# Altium PCB PCB1.PcbDoc
Units mil, origin at the board's own origin, x right, y up, seen from the top; angles counter-clockwise.
Board outline 6000 x 4000 mil, 2 copper layers (Top Layer, Bottom Layer); 38 components, 45 nets, 196 pads, 0 vias.
Unrouted connection lines stored in the file: 5.
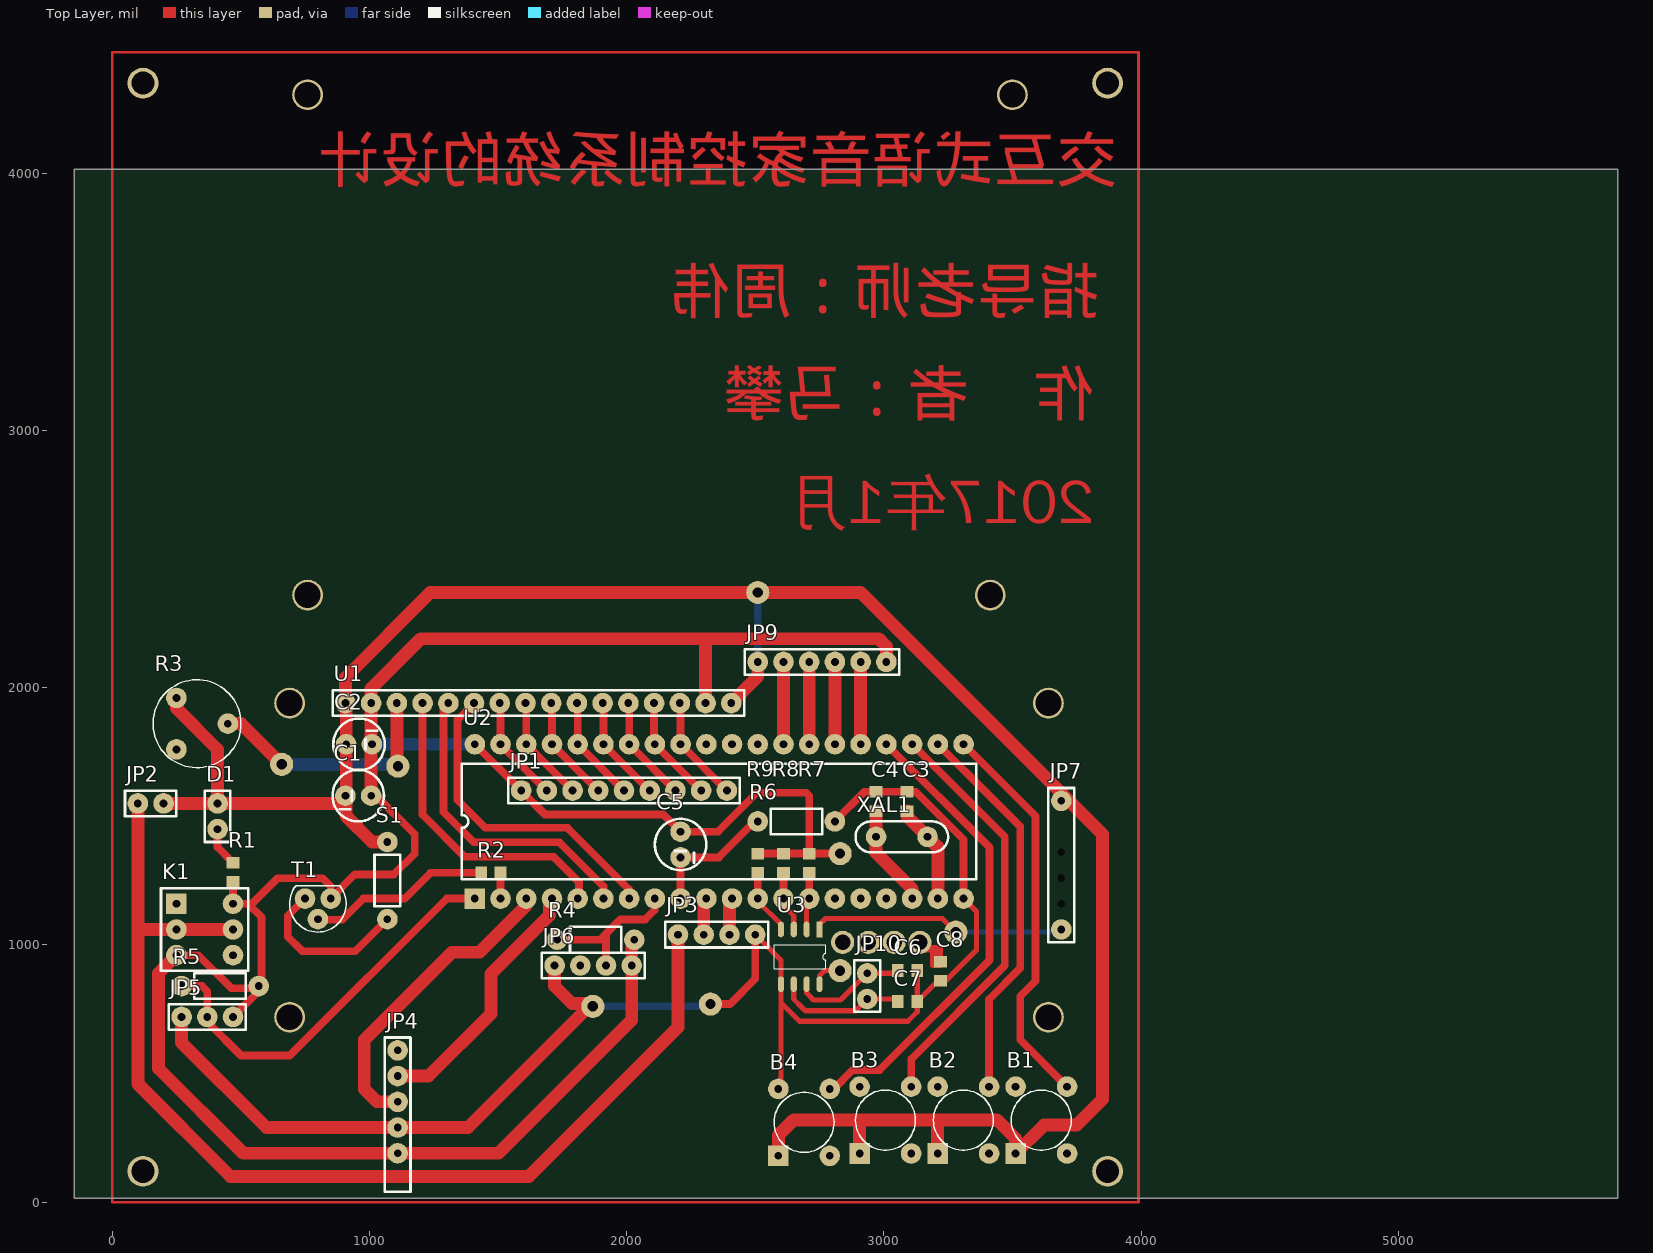
[diagram p0: Top Layer view]
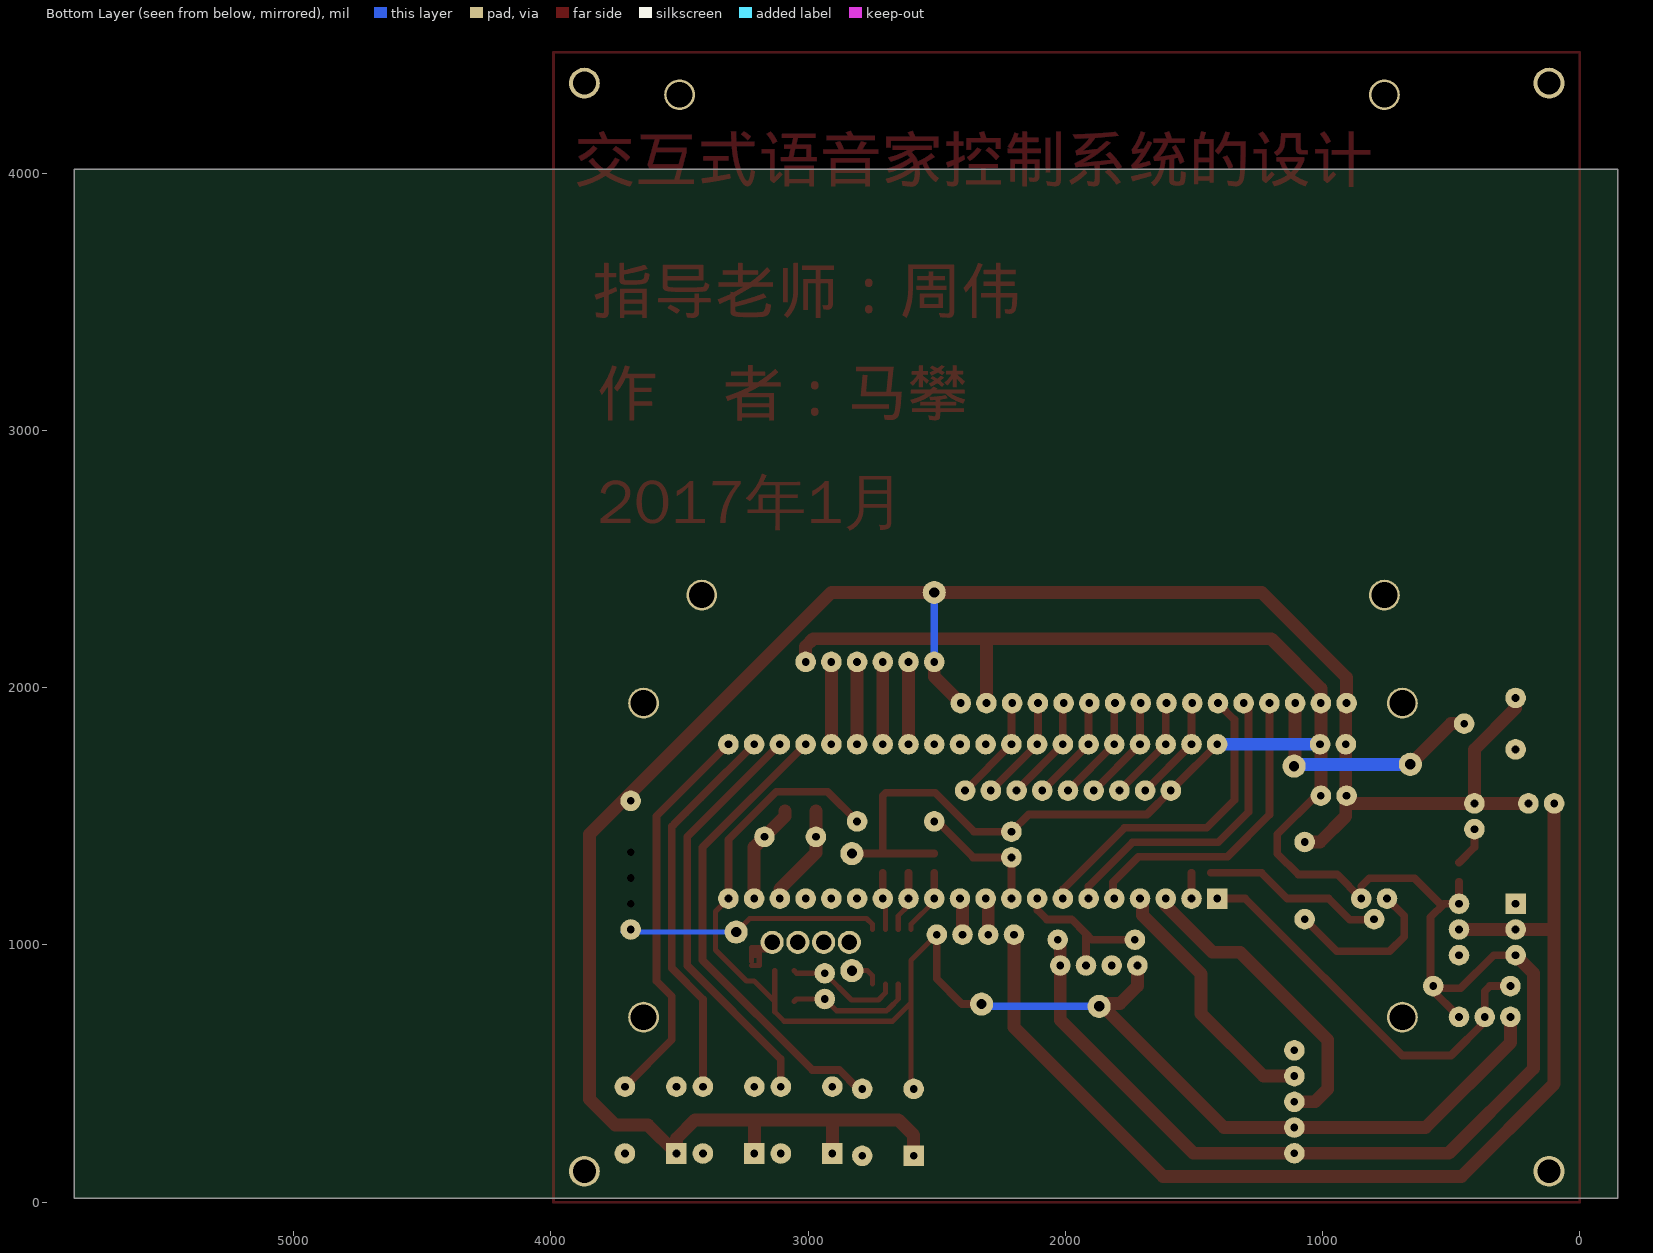
[diagram p1: Bottom Layer view, seen from below]

## Layer stack, top to bottom
Top Solder: solder mask 0.4, Solder Resist, Dk 3.5
Top Layer: signal copper 1.4
Dielectric1: dielectric 12.6, FR-4, Dk 4.8
Bottom Layer: signal copper 1.4
Bottom Solder: solder mask 0.4, Solder Resist, Dk 3.5

## Board outline
-147,15 5853,15 5853,4015 -147,4015

## Design rules (kind name [scope] priority, off if disabled: settings)
Clearance [All] p1: gap=10
FabricationTestPointUsage TestPointUsage [All] p1: valid=0 allowmultiple=FALSE
FabricationTestpoint Testpoint [All] p1: side=3 testpointundercomponent=TRUE minsize=40 maxsize=100 preferedsize=60 minholesize=0 maxholesize=40 preferedholesize=32 testpointgrid=1 allowsidetop=TRUE allowsidebottom=TRUE usegrid=TRUE gridtolerance=0.01
PolygonConnect [All] p1: connectstyle=Relief reliefconductorwidth=10 reliefentries=4 polygonreliefangle="90 Angle" airgapwidth=10
RoomDefinition Sheet1 [InComponentClass('Sheet1')] p1: confinementstyle=ConfineIn formatcopy=TRUE lockcomponents=FALSE outline 5898,-25 6023,-25 6023,475 5898,475
RoutingVias [All] p1: holewidth=28 width=50 viastyle="Through Hole" minholewidth=28 minwidth=50 maxholewidth=28 maxwidth=50
SilkToSolderMaskClearance SilkscreenOverComponentPads [IsPad] p1: minsilkscreentomaskgap=10 clearancetoexposedcopper=TRUE
SolderMaskExpansion [All] p1: expansion=4
Width [All] p1: maxlimit=50 minlimit=20 preferedwidth=50
26 further rules are at their usual default settings.

## Components (designator, comment, footprint, x,y, rotation, side; value= is the part's Value field where it differs from the comment)
B1 "Button" Button 3512.33,189 r90 top
B2 "Button" Button 3209.22,189 r90 top
B3 "Button" Button 2906.11,189 r90 top
B4 "Button" Button 2590,180 r90 top
C1 "CAP+" CAP-100mil 1007,1580 r180 top
C2 "CAP" CAP-100mil 910,1780 r0 top
C3 "CAP" 0805 3090,1520 r90 top
C4 "CAP" 0805 2970,1520 r90 top
C5 "CAP+" CAP-100mil 2210,1440 r270 top
C6 "CAP" 0805 3130,900 r180 top
C7 "CAP" 0805 3130,780 r180 top
C8 "CAP" 0805 3220,860 r90 top (schematic designator C7)
D1 "Diode" SIP-2 410,1500 r90 top
JP1 "SIP-9" SIP-9 1990,1600 r90 top
JP2 "SIP-2" SIP-2 150,1550 r0 top
JP3 "SIP-4" SIP-4 2350,1040 r270 top
JP4 "blue" SIP-6#1 1110,340 r0 top
JP5 "SIP-3" SIP-3 370,720 r90 top
JP6 "SIP-4" SIP-4 1870,920 r270 top
JP7 "SIP-2" SIP-6#2 3690,1310 r180 top
JP9 "Relay" SIP-6#3 2760,2100 r270 top
JP10 "SIP-2" SIP-2 2935.63,839.63 r90 top
K1 "SW" SW 250,1160 r0 top
R1 "RES" 0805 470,1320 r270 top
R2 "RES" 0805 1510,1280 r180 top
R3 "电位器" 电位器 250,1960 r0 top
R4 "RES" RES-300mil 1730,1020 r0 top
R5 "RES" RES-300mil 270,840 r0 top
R6 "RES" RES-300mil 2810,1480 r180 top
R7 "RES" 0805 2710,1280 r90 top
R8 "RES" 0805 2610,1280 r90 top
R9 "RES" 0805 2510,1280 r90 top
S1 "Speaker" RES-300mil 1070,1400 r270 top
T1 "PNP" 三极管 850,1180 r270 top
U1 "SIP-16" SIP-16 907,1940 r90 top
U2 "DIP-40" DIP-40-600mil 1410,1180 r90 top
U3 "DS1302" SOP8 2750,1060 r270 top
XAL1 "晶振" 晶振-200mil 2970,1420 r0 top

## Footprints (in the part's own frame and the unit in brackets; to place one, negate y for a bottom-side part, rotate by r counter-clockwise, add the part's x,y. Pads: shape width x height; smd on the part's side, far side on the other; paste and mask are expansions set on the pad)
0805 [mil]
  rect 45x50 smd: 1(0,0) 2(75,0)
Button [mil]
  rect 80x80 hole 30: 1(0,0)
  round 80 hole 30: 2(0,-200) 3(260,-200) 4(260,0)
  silkscreen extent 14,-217 246,17
CAP-100mil [mil]
  round 80 hole 30: 1(0,0) 2(100,0)
  silkscreen extent -50,-100 150,100
DIP-40-600mil [mil]
  rect 80x80 hole 30: 1(0,0)
  round 80 hole 30: 2(0,-100) 3(0,-200) 4(0,-300) 5(0,-400) 6(0,-500) 7(0,-600) 8(0,-700) 9(0,-800) 10(0,-900) 11(0,-1000) 12(0,-1100) 13(0,-1200) 14(0,-1300) 15(0,-1400) 16(0,-1500) 17(0,-1600) 18(0,-1700) 19(0,-1800) 20(0,-1900) 21(600,-1900) 22(600,-1800) 23(600,-1700) 24(600,-1600) 25(600,-1500) 26(600,-1400) 27(600,-1300) 28(600,-1200) 29(600,-1100) 30(600,-1000) 31(600,-900) 32(600,-800) 33(600,-700) 34(600,-600) 35(600,-500) 36(600,-400) 37(600,-300) 38(600,-200) 39(600,-100) 40(600,0)
  silkscreen extent 75,-1950 525,50
RES-300mil [mil]
  round 80 hole 30: 1(0,0) 2(300,0)
  silkscreen extent 50,-50 250,50
SIP-2 [mil]
  round 80 hole 30: 1(-50,0) 2(50,0)
  silkscreen extent -100,-50 100,50
SIP-3 [mil]
  round 80 hole 30: 1(0,100) 2(0,0) 3(0,-100)
  silkscreen extent -50,-150 50,150
SIP-4 [mil]
  round 80 hole 30: 1(0,150) 2(0,50) 3(0,-50) 4(0,-150)
  silkscreen extent -50,-200 50,200
SIP-6#1 [mil]
  round 80 hole 30: 1(0,250) 2(0,150) 3(0,50) 4(0,-50) 5(0,-150)
  round 0 all layers, no hole: 6(0,-250)
  silkscreen extent -50,-300 50,300
SIP-6#2 [mil]
  round 80 hole 30: 1(0,250) 6(0,-250)
  round 0 hole 30: 2(0,150) 3(0,50) 4(0,-50)
  round 0 all layers, no hole: 5(0,-150)
  silkscreen extent -50,-300 50,300
SIP-6#3 [mil]
  round 80 hole 30: 1(0,250) 2(0,150) 3(0,50) 4(0,-50) 5(0,-150) 6(0,-250)
  silkscreen extent -50,-300 50,300
SIP-9 [mil]
  round 80 hole 30: 1(0,400) 2(0,300) 3(0,200) 4(0,100) 5(0,0) 6(0,-100) 7(0,-200) 8(0,-300) 9(0,-400)
  silkscreen extent -50,-450 50,450
SIP-16 [mil]
  round 80 hole 30: 1(0,0) 2(0,-100) 3(0,-200) 4(0,-300) 5(0,-400) 6(0,-500) 7(0,-600) 8(0,-700) 9(0,-800) 10(0,-900) 11(0,-1000) 12(0,-1100) 13(0,-1200) 14(0,-1300) 15(0,-1400) 16(0,-1500)
  silkscreen extent -50,-1550 50,50
SOP8 [mil]
  rect 61x24 smd: 1(0,0)
  oval 61x24 smd: 2(0,-50) 3(0,-100) 4(0,-150) 5(212.6,-150) 6(212.6,-100) 7(212.6,-50) 8(212.6,0)
  silkscreen extent 59,-175 153,25
SW [mil]
  rect 80x80 hole 30: 1(0,0)
  round 80 hole 30: 2(0,-100) 3(0,-200) 4(220,-200) 5(220,-100) 6(220,0)
  silkscreen extent -60,-260 280,60
三极管 [mil]
  round 80 hole 30: B(80,-50) C(0,-100) E(0,0)
  silkscreen extent -50,-160 130,60
晶振-200mil [mil]
  round 80 hole 30: 1(0,0) 2(200,0)
  silkscreen extent -80,-60 280,60
电位器 [mil]
  round 80 hole 30: 1(0,0) 2(200,-100) 3(0,-200)
  silkscreen extent -91,-271 251,71

## Part data
JP4 JP9: library part SIP-6
U3: library part DIP-8

## Free pads (board coordinates)
  round 120 hole 100: 0(690,1940) 1(3640,1940) 2(690,719) 3(3640,719) 13(3413.7,2360) 14(760,2360) 15(760,4305) 16(3500,4305)
  round 90 hole 40: 4(2830,900) 5(2830,1355) 6(3280,1050) 8(1111,1695) 9(659,1702) 10(1869,761) 11(2326,770) 12(2510,2370)
  round 90 hole 60: 17(3040,1010) 18(2940,1010) 19(2840,1010) 20(3140,1010)
  round 120 hole 90: 21(120,120) 22(3870,4350) 23(120,4350) 24(3870,120)

## Nets (pads, with @x,y where several pads share a name; then routed paths per layer and width w, separated by ;. In a path a pad name is that pad's centre, name@x,y a point inside that pad or via, vN(x,y) a via of type N, cw(c..) or ccw(c..) an arc to the next point about the centre after c; other vN are vias at no path point)
GND: B1.1 B2.1 B3.1 B4.1 B4.4 C1.2 C2.1 C3.2 C4.2 C6.1 C7.1 C8.1 D1.2 JP2.2 JP3.1 JP4.4 JP5.1 JP6.4 JP7.6 JP9.6 pad.10 pad.11 pad.12 R3.1 R6.1 S1.1 U1.1 U1.16 U2.20 U3.5 | length 14681.9
  Top Layer w20: JP3.1 2600,940 U3.5 ; B4.4 2600,450 2600,775 ; 2600,793 2600,775 ; 2600,796.57 U3.5 ; C6.1 C7.1 ; U2.20 3360,1130 3360,980 3240,860 3210,860 C7.1 ; 2600,775 2672,703 3093,703 3130,740 C7.1 ; 2600,775 U3.5
  Top Layer w30: pad.10@1866,772 pad.10@1876,772 ; pad.11 2402,770 2500,868 JP3.1 ; R6.1 2925,1595 C4.2 C3.2 3124,1595 3310,1409 U2.20
  Top Layer w50: JP2.2 D1.2 ; R3.1 250,1920 410,1760 D1.2 ; JP5.1 270,620 600,290 JP4.4 1384,290 1866,772 1788,772 1720,840 JP6.4 ; S1.1 1010,1400 910,1500 C1.2@910,1580 ; U1.16 2510,2043 JP9.6 ; B4.1 2590,260 2650,320 3440,320 3512.33,247.67 B1.1 3623.33,300 3750,300 3850,400 3850,1430 2910,2370 1237,2370 907,2040 U1.1 910,1937 C2.1 C1.2@910,1580 ; B3.1 2906.11,316.11 ; B2.1 3209.22,309.22 ; D1.2 880,1550 C1.2@910,1580
  Bottom Layer w30: pad.10 2317,761 pad.11 ; JP9.6 pad.12
NetC6_2: C6.2 JP10.2 U3.7 | length 447.8
  Top Layer w20: U3.7 2700,813 2727,786 2832,786 JP10.2 3044.63,889.63 C6.2
NetC7_2: C7.2 JP10.1 U3.6 | length 514.8
  Top Layer w20: U3.6 2650,789 2682,757 ; 2689,750 2682,757 ; C7.2 3045.37,789.63 JP10.1 2890,744 2695,744 2682,757
NetD1_1: D1.1 R1.1 | length 154.9
  Top Layer w30: D1.1 410,1380 R1.1
NetJP7_1: JP7.1 pad.6 U3.1 | length 1021.5
  Top Layer w20: U3.1 2750,1080 2773,1103 3227,1103 pad.6
  Bottom Layer w20: pad.6 JP7.1@3720,1050
NetR2_2: R2.2 T1.B | length 711.2
  Top Layer w30: T1.B 802,1098 894,1098 976,1180 1138,1180 1238,1280 R2.2
NetR3_2: pad.8 pad.9 R3.2 U1.3 | length 976
  Top Layer w50: R3.2 501,1860 pad.9 ; U1.3 1107,1699 pad.8
  Bottom Layer w50: pad.9 1104,1702 pad.8
NetS1_2: S1.2 T1.C | length 638.1
  Top Layer w30: T1.C 683,1113 683,1032 740,975 945,975 S1.2
P00: JP1.2 U1.7 U2.39 | length 415.8
  Top Layer w30: U1.7 1510,1937 U2.39 JP1.2
P01: JP1.3 U1.8 U2.38 | length 415.8
  Top Layer w30: U1.8 1610,1937 U2.38 JP1.3
P02: JP1.4 U1.9 U2.37 | length 415.8
  Top Layer w30: U1.9 1710,1937 U2.37 JP1.4
P03: JP1.5 U1.10 U2.36 | length 415.8
  Top Layer w30: U1.10 1810,1937 U2.36 JP1.5
P04: JP1.6 U1.11 U2.35 | length 415.8
  Top Layer w30: U1.11 1910,1937 U2.35 JP1.6
P05: JP1.7 U1.12 U2.34 | length 415.8
  Top Layer w30: U1.12 2010,1937 U2.34 JP1.7
P06: JP1.8 U1.13 U2.33 | length 415.8
  Top Layer w30: U1.13 2107,1783 U2.33 JP1.8
P07: JP1.9 U1.14 U2.32 | length 411.6
  Top Layer w30: U1.14@2210,1937 U2.32 JP1.9
P10: JP5.2 R5.1 U2.1 | length 1566.2
  Top Layer w30: R5.1 350,840 370,820 JP5.2 ; JP5.2@370,712 370,701 501,570 691,570 1301,1180 U2.1
P11: R2.1 U2.2 | length 100
  Top Layer w30: U2.2 R2.1
P12: JP4.3 U2.3 | length 1214.3
  Top Layer w50: JP4.3 1030,390 980,440 980,630 1321.5,971.5 1428.5,971.5 1610,1153 U2.3
P13: JP4.2 U2.4 | length 1008.8
  Top Layer w50: JP4.2 1230,490 1472.5,732.5 1472.5,887.5 1700,1115 1700,1170 U2.4
P14: U1.4 U2.5 | length 1216.6
  Top Layer w30: U1.4 1207,1506 1370,1343 1716,1343 1815,1244 1815,1185 U2.5
P15: U1.5 U2.6 | length 1220.6
  Top Layer w30: U1.5 1288,1921 1288,1517 1406,1399 1739,1399 1910,1228 U2.6
P16: U1.6 U2.7 | length 1249.7
  Top Layer w30: U1.6 1343,1876 1343,1563 1451,1455 1770,1455 2010,1215 U2.7
P17: JP6.2 R4.1 U2.8 | length 594
  Top Layer w30: R4.1 1897,1020 1920,1043 1976,1099 2073,1099 2110,1136 U2.8 ; JP6.2 1920,1042
P20: B1.3 U2.21 | length 1547.4
  Top Layer w30: U2.21 3590,1500 3590,860 3530,800 3530,631.33 B1.3
P21: B2.3 U2.22 | length 1632.1
  Top Layer w30: U2.22 3417,1573 ; B2.3 3409.22,789.22 3530,910 3530,1460 3477,1513 ; 3430.78,1559.22 3417,1573 ; 3502,1488 3477,1513 ; 3522,1468 3477,1513 ; 3417,1573 3477,1513
P22: B3.3 U2.23 | length 1630.8
  Top Layer w30: B3.3 3106.11,556.11 3470,920 3470,1420 U2.23
P23: B4.3 U2.24 | length 1900.6
  Top Layer w30: B4.3 2805.19,440 2879.19,514 2984,514 3410.97,940.97 3410.97,1340 ; U2.24 3410.97,1379.03 3410.97,1340 ; 3410.97,1273.03 3410.97,1340
P24: JP9.2 U2.25 | length 320
  Top Layer w50: U2.25 JP9.2
P25: JP9.3 U2.26 | length 334.1
  Top Layer w50: JP9.3 U2.26 U2.26@2820,1790
P26: JP9.4 U2.27 | length 320
  Top Layer w50: U2.27 JP9.4
P27: JP9.5 U2.28 | length 320
  Top Layer w50: U2.28 JP9.5
P30: JP3.3 U2.10 | length 144.1
  Top Layer w50: JP3.3 2300,1170 U2.10
P31: JP3.2 U2.11 | length 144.1
  Top Layer w50: JP3.2 2400,1170 U2.11
P32: R9.1 U2.12 U3.4 | length 257.3
  Top Layer w20: U2.12 2510,1170 2600,1080 U3.4
  Top Layer w30: U2.12 R9.1
P33: R8.1 U2.13 U3.3 | length 236.6
  Top Layer w20: U2.13 2610,1153 2650,1113 U3.3
  Top Layer w30: U2.13 R8.1
P34: R7.1 U2.14 U3.2 | length 224.1
  Top Layer w20: U3.2 2700,1170 U2.14
  Top Layer w30: U2.14 R7.1
P35: pad.19 U2.15
P36: pad.18 U2.16
P37: pad.17 U2.17
RST: C5.2 R6.2 U2.9 | length 518
  Top Layer w30: U2.9 C5.2 2359,1340 2499,1480 R6.2
VC: JP2.1 JP3.4 K1.2 K1.5 | length 4441.3
  Top Layer w30: JP3.4@2200,1008.08 JP3.4
  Top Layer w50: 100,1450 100,1350 ; JP2.1 100,1350 ; K1.5 K1.2 100,1060 ; JP3.4 2200,680 1620,100 460,100 100,460 100,1060 ; 100,1060 100,1350
VCC: C1.1 C2.2 C5.1 JP1.1 JP4.5 JP5.3 JP6.1 JP9.1 K1.3 K1.6 pad.4 pad.5 R1.2 R4.2 R5.2 R7.2 R8.2 R9.2 T1.E U1.2 U1.15 U2.40 U3.8 | length 10496.9
  Top Layer w20: U3.8 2750,880 2770,900 pad.4@2820,900
  Top Layer w30: K1.3 335,960 464,831 R5.2@581,831 ; JP5.3 R5.2@581,831 ; R1.2 K1.6 528,1160 581,1107 R5.2@581,831 ; 544,1160 643,1259 819,1259 850,1228 T1.E 944,1274 1095,1274 1176,1355 1176,1430 1026,1580 C1.1 ; U2.40 1570,1620 JP1.1@1610,1620 ; JP1.1 1683,1507 2143,1507 C5.1 2355,1440 2506,1591 2699,1591 2710,1580 R7.2 ; R9.2 R8.2 R7.2 ; pad.5@2835,1355 pad.5 R7.2
  Top Layer w50: K1.3 180,890 180,520 510,190 JP4.5 1502,190 2020,708 JP6.1 R4.2@2020,1010 ; C1.1 U1.2 1007,1997 1200,2190 2410,2190 2980,2190 3010,2160 JP9.1 ; U1.15@2307,1946.07 2307,2180
  Bottom Layer w50: C2.2 U2.40
X1: C4.1 U2.18 XAL1.1 | length 398
  Top Layer w50: C4.1 XAL1.1 2970,1358 3110,1218 U2.18
X2: C3.1 U2.19 XAL1.2 | length 389.7
  Top Layer w50: C3.1 3090,1500 XAL1.2 3210,1380 U2.19
pads on no net: B1.2 B1.4 B2.2 B2.4 B3.2 B3.4 B4.2 C8.2 JP4.1 JP4.6 JP6.3 JP7.2 JP7.3 JP7.4 JP7.5 K1.1 K1.4 R3.3 U2.29 U2.30 U2.31
copper on no net: | length 17290
  Top Layer w10: 0,0 3990,0 3990,4470 0,4470 0,2330 0,0
  Top Layer w20: 3160,980 3220,980 3220,935 ; 3160,990 3190,990 ; 3200,960 3220,960 3220,935 ; 3220,920 3190,920 3190,990 ; 3220,940 3220,935 ; 3190,990 3220,990 3220,935

## Other copper
Top Layer:
  text "交互式语音家控制系统的设计" at 3910,3910 h300
  text "指导老师：周伟" at 3840,3400 h300
  text "作    者：马攀" at 3820,3000 h300
  text "2017年1月" at 3820,2580 h300